# Altium PCB Copy of PCB1.PcbDoc (part 2 of 3) (continued)
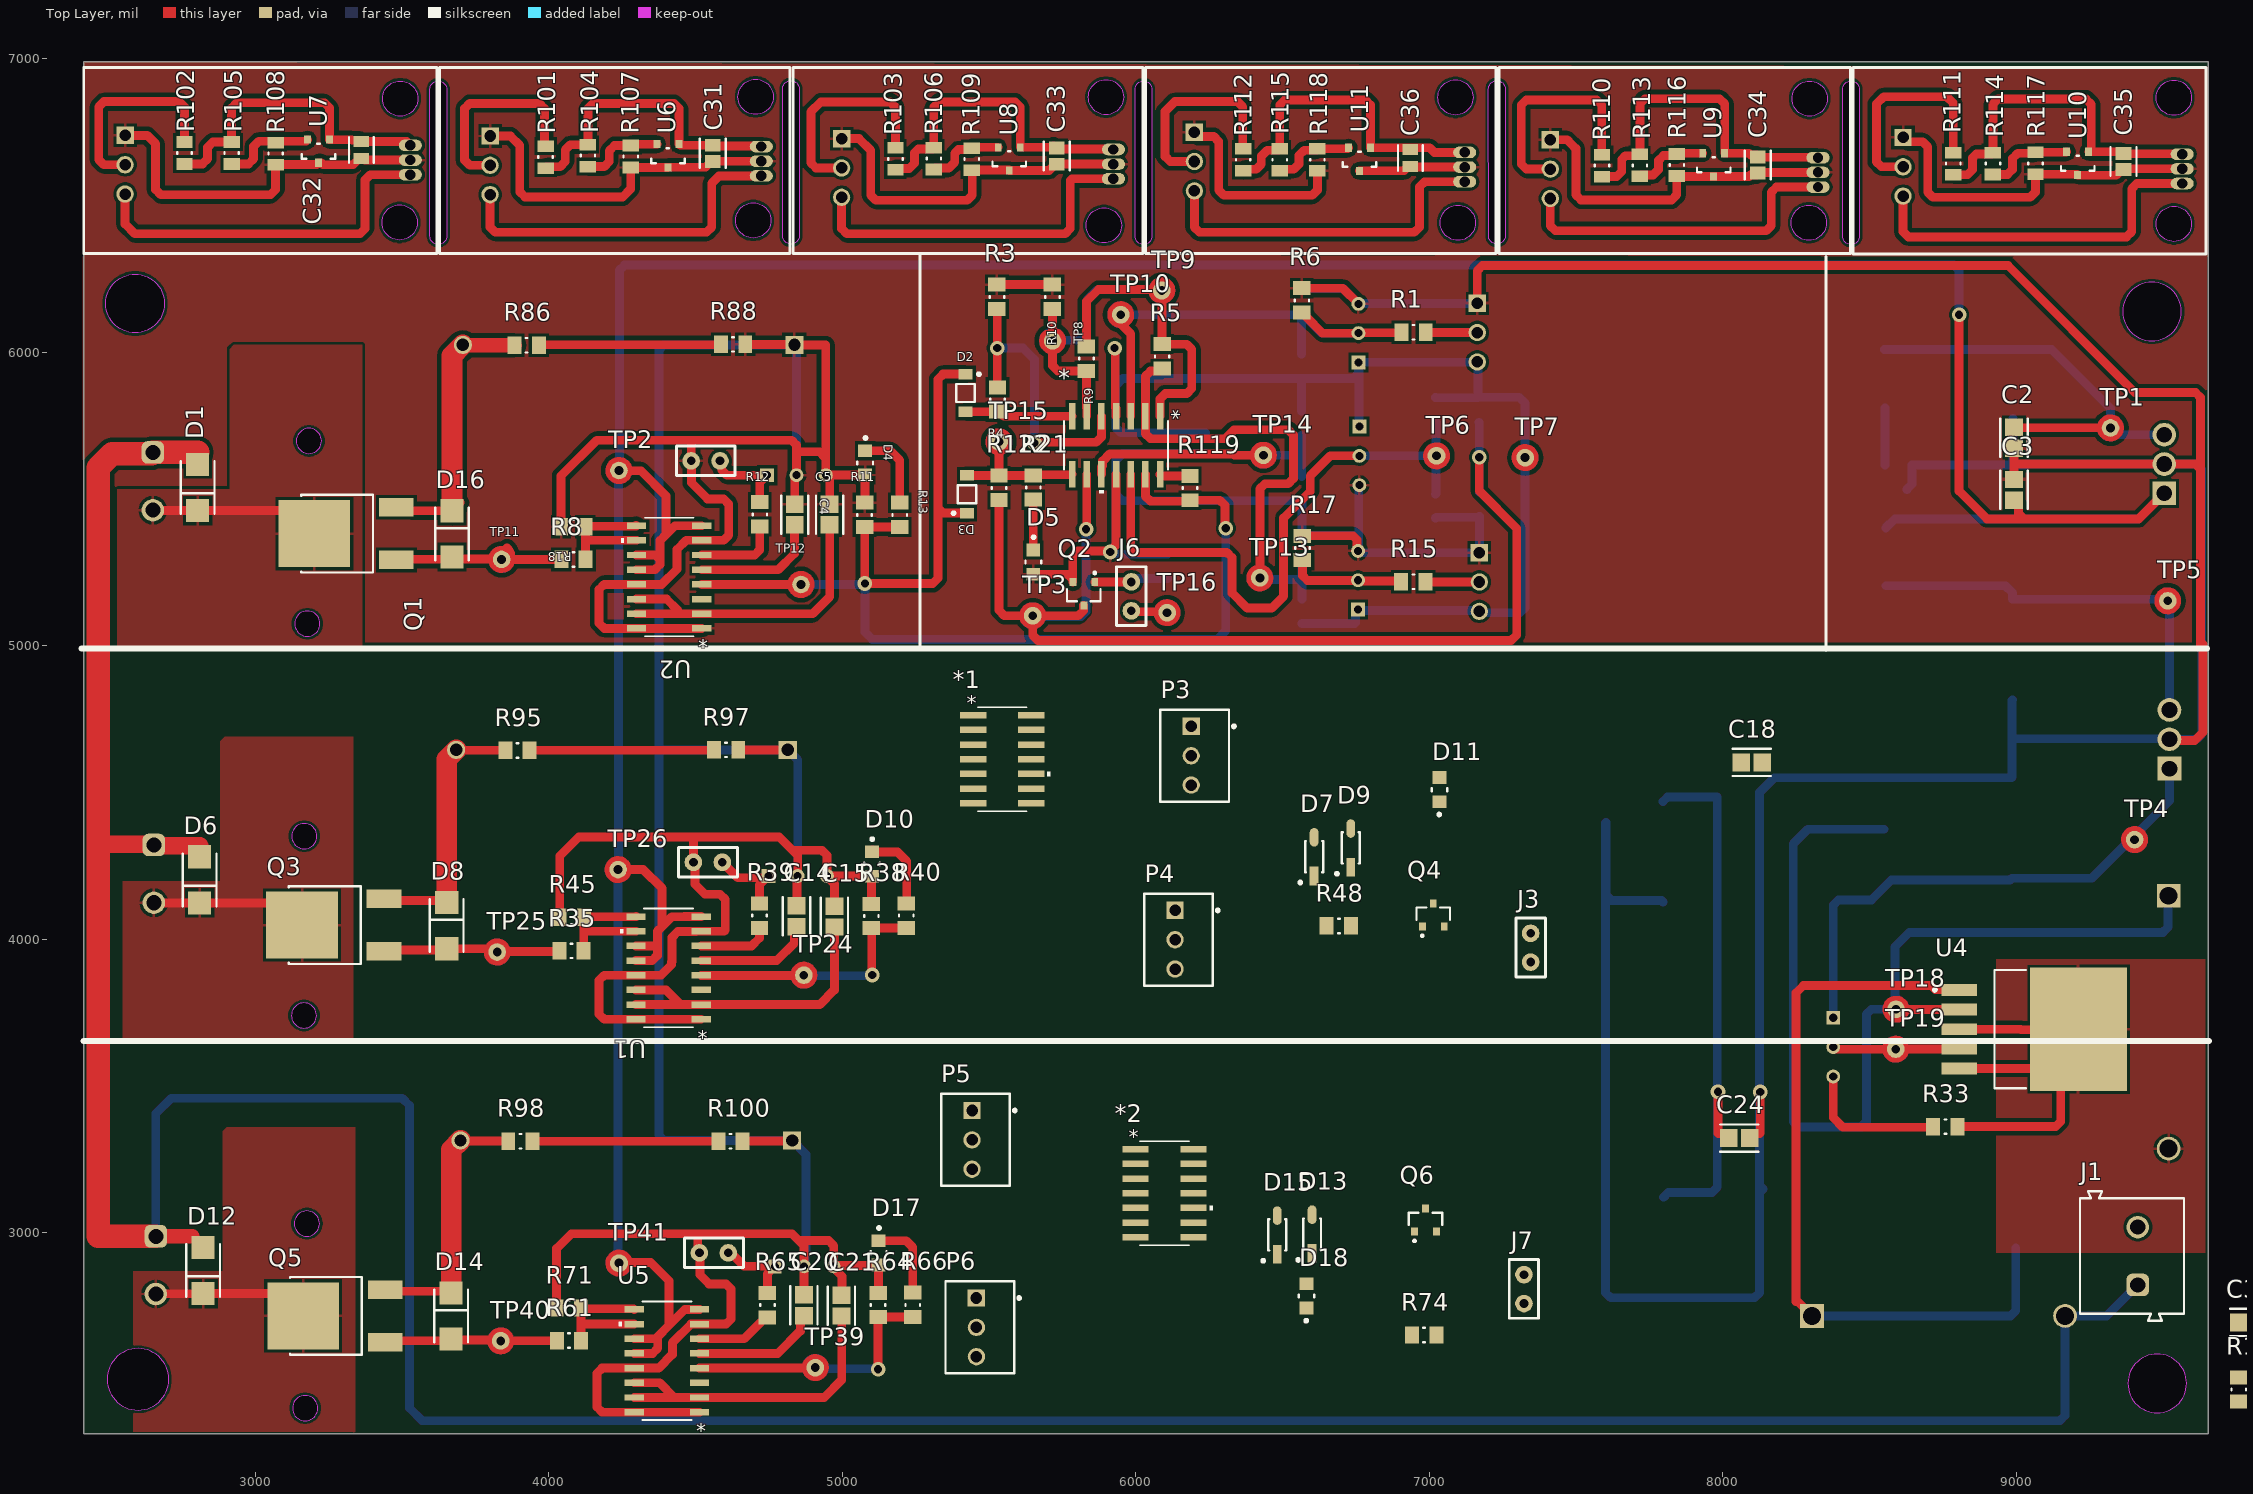
[diagram p0: Top Layer view]
## Free pads (board coordinates) (continued)
  round 2.95 on Mech8: 1(2745.52,5449.04) 1(2745.52,5449.04) 1(2745.52,5628.96) 1(2745.52,5628.96) 1(2752.52,4112.04) 1(2752.52,4112.04) 1(2752.52,4291.96) 1(2752.52,4291.96) 1(2764.52,2781.04) 1(2764.52,2781.04) 1(2764.52,2960.96) 1(2764.52,2960.96) 1(2860.48,5449.04) 1(2860.48,5449.04) 1(2860.48,5628.96) 1(2860.48,5628.96) 1(2867.48,4112.04) 1(2867.48,4112.04) 1(2867.48,4291.96) 1(2867.48,4291.96) 1(2879.48,2781.04) 1(2879.48,2781.04) 1(2879.48,2960.96) 1(2879.48,2960.96) 1(3594.52,3956.04) 1(3594.52,3956.04) 1(3594.52,4135.96) 1(3594.52,4135.96) 1(3609.52,2626.04) 1(3609.52,2626.04) 1(3609.52,2805.96) 1(3609.52,2805.96) 1(3612.52,5291.04) 1(3612.52,5291.04) 1(3612.52,5470.96) 1(3612.52,5470.96) 1(3709.48,3956.04) 1(3709.48,3956.04) 1(3709.48,4135.96) 1(3709.48,4135.96) 1(3724.48,2626.04) 1(3724.48,2626.04) 1(3724.48,2805.96) 1(3724.48,2805.96) 1(3727.48,5291.04) 1(3727.48,5291.04) 1(3727.48,5470.96) 1(3727.48,5470.96) 1(9440.63,5419) 1(9440.63,5419) 1(9440.63,5819) 1(9440.63,5819) 1(9458.37,4481) 1(9458.37,4481) 1(9458.37,4881) 1(9458.37,4881) 1(9611.89,5419) 1(9611.89,5419) 1(9611.89,5819) 1(9611.89,5819) 1(9629.63,4481) 1(9629.63,4481) 1(9629.63,4881) 1(9629.63,4881)
  round 3.94 on Mech6: 1(2745.52,5449.04) 1(2745.52,5628.96) 1(2748.67,5519.32) 1(2752.52,4112.04) 1(2752.52,4291.96) 1(2755.67,4182.32) 1(2764.52,2781.04) 1(2764.52,2960.96) 1(2767.67,2851.32) 1(2857.33,5519.32) 1(2860.48,5449.04) 1(2860.48,5628.96) 1(2864.33,4182.32) 1(2867.48,4112.04) 1(2867.48,4291.96) 1(2876.33,2851.32) 1(2879.48,2781.04) 1(2879.48,2960.96) 1(3113.92,3915.52) 1(3113.92,3915.52) 1(3113.92,3919.06) 1(3113.92,4176.94) 1(3113.92,4180.48) 1(3113.92,4180.48) 1(3117.92,2583.52) 1(3117.92,2583.52) 1(3117.92,2587.06) 1(3117.92,2844.94) 1(3117.92,2848.48) 1(3117.92,2848.48) 1(3155.92,5249.52) 1(3155.92,5249.52) 1(3155.92,5253.06) 1(3155.92,5510.94) 1(3155.92,5514.48) 1(3155.92,5514.48) 1(3358.8,3915.52) 1(3358.8,3915.52) 1(3358.8,4180.48) 1(3358.8,4180.48) 1(3362.8,2583.52) 1(3362.8,2583.52) 1(3362.8,2848.48) 1(3362.8,2848.48) 1(3400.8,5249.52) 1(3400.8,5249.52) 1(3400.8,5514.48) 1(3400.8,5514.48) 1(3594.52,3956.04) 1(3594.52,4135.96) 1(3597.67,4065.68) 1(3609.52,2626.04) 1(3609.52,2805.96) 1(3612.52,5291.04) 1(3612.52,5470.96) 1(3612.67,2735.68) 1(3615.67,5400.68) 1(3706.33,4065.68) 1(3709.48,3956.04) 1(3709.48,4135.96) 1(3721.33,2735.68) 1(3724.33,5400.68) 1(3724.48,2626.04) 1(3724.48,2805.96) 1(3727.48,5291.04) 1(3727.48,5470.96) 1(3890.51,4618.39) 1(3890.51,4667.61) 1(3896.23,4618.39) 1(3896.23,4667.61) 1(3900.14,3286.39) 1(3900.14,3335.61) 1(3905.86,3286.39) 1(3905.86,3335.61) 1(3921.51,5999.39) 1(3921.51,6048.61) 1(3927.23,5999.39) 1(3927.23,6048.61) 1(4064.77,2718.39) 1(4064.77,2767.61) 1(4065.77,2607.39) 1(4065.77,2656.61) 1(4070.49,2718.39) 1(4070.49,2767.61) 1(4071.49,2607.39) 1(4071.49,2656.61) 1(4074.14,3935.39) 1(4074.14,3984.61) 1(4075.77,4050.39) 1(4075.77,4099.61) 1(4079.86,3935.39) 1(4079.86,3984.61) 1(4080.14,5380.39) 1(4080.14,5429.61) 1(4081.14,5269.39) 1(4081.14,5318.61) 1(4081.49,4050.39) 1(4081.49,4099.61) 1(4085.86,5380.39) 1(4085.86,5429.61) 1(4086.86,5269.39) 1(4086.86,5318.61) 1(4601.14,4620.39) 1(4601.14,4669.61) 1(4606.86,4620.39) 1(4606.86,4669.61) 1(4616.14,3286.39) 1(4616.14,3335.61) 1(4621.86,3286.39) 1(4621.86,3335.61) 1(4625.14,6002.39) 1(4625.14,6051.61) 1(4630.86,6002.39) 1(4630.86,6051.61) 1(4693.39,4077.14) 1(4693.39,4082.86) 1(4694.39,5444.77) 1(4694.39,5450.49) 1(4720.39,2749.51) 1(4720.39,2755.23) 1(4742.61,4077.14) 1(4742.61,4082.86) 1(4743.61,5444.77) 1(4743.61,5450.49) 1(4769.61,2749.51) 1(4769.61,2755.23) 1(4791.62,5381.92) 1(4791.62,5512.08) 1(4797.62,4012.92) 1(4797.62,4143.08) 1(4822.62,2687.45) 1(4822.62,2817.62) 1(4884.38,5381.92) 1(4884.38,5512.08) 1(4890.38,4012.92) 1(4890.38,4143.08) 1(4910.62,5381.92) 1(4910.62,5512.08) 1(4915.38,2687.45) 1(4915.38,2817.62) 1(4926.62,4011.92) 1(4926.62,4142.08) 1(4950.62,2685.92) 1(4950.62,2816.08) 1(5003.38,5381.92) 1(5003.38,5512.08) 1(5019.38,4011.92) 1(5019.38,4142.08) 1(5043.38,2685.92) 1(5043.38,2816.08) 1(5051.39,5443.14) 1(5051.39,5448.86) 1(5051.43,5618.08) 1(5051.43,5627.92) 1(5074.39,4076.14) 1(5074.39,4081.86) 1(5074.43,4251.08) 1(5074.43,4260.92) 1(5097.39,2750.14) 1(5097.39,2755.86) 1(5097.43,2926.08) 1(5097.43,2935.92) 1(5100.61,5443.14) 1(5100.61,5448.86) 1(5104.57,5618.08) 1(5104.57,5627.92) 1(5123.61,4076.14) 1(5123.61,4081.86) 1(5127.57,4251.08) 1(5127.57,4260.92) 1(5146.61,2750.14) 1(5146.61,2755.86) 1(5150.57,2926.08) 1(5150.57,2935.92) 1(5171.39,5443.14) 1(5171.39,5448.86) 1(5193.39,4077.14) 1(5193.39,4082.86) 1(5215.39,2751.14) 1(5215.39,2756.86) 1(5220.61,5443.14) 1(5220.61,5448.86) 1(5242.61,4077.14) 1(5242.61,4082.86) 1(5264.61,2751.14) 1(5264.61,2756.86) 1(8756.14,3336.39) 1(8756.14,3385.61) 1(8761.86,3336.39) 1(8761.86,3385.61) 1(8926.52,3491.5) 1(8926.52,3491.5) 1(8926.52,3894.5) 1(8926.52,3894.5) 1(8946.62,5465.92) 1(8946.62,5596.08) 1(8946.62,5643.45) 1(8946.62,5773.62) 1(9032.67,3491.5) 1(9032.67,3894.5) 1(9039.38,5465.92) 1(9039.38,5596.08) 1(9039.38,5643.45) 1(9039.38,5773.62)
  round 3.94 on Mech8: 1(3113.92,3915.52) 1(3113.92,3915.52) 1(3113.92,4180.48) 1(3113.92,4180.48) 1(3117.92,2583.52) 1(3117.92,2583.52) 1(3117.92,2848.48) 1(3117.92,2848.48) 1(3155.92,5249.52) 1(3155.92,5249.52) 1(3155.92,5514.48) 1(3155.92,5514.48) 1(3358.8,3915.52) 1(3358.8,3915.52) 1(3358.8,4180.48) 1(3358.8,4180.48) 1(3362.8,2583.52) 1(3362.8,2583.52) 1(3362.8,2848.48) 1(3362.8,2848.48) 1(3400.8,5249.52) 1(3400.8,5249.52) 1(3400.8,5514.48) 1(3400.8,5514.48) 1(3854,4618.39) 1(3854,4618.39) 1(3854,4667.61) 1(3854,4667.61) 1(3863.63,3286.39) 1(3863.63,3286.39) 1(3863.63,3335.61) 1(3863.63,3335.61) 1(3885,5999.39) 1(3885,5999.39) 1(3885,6048.61) 1(3885,6048.61) 1(3932.74,4618.39) 1(3932.74,4618.39) 1(3932.74,4667.61) 1(3932.74,4667.61) 1(3942.37,3286.39) 1(3942.37,3286.39) 1(3942.37,3335.61) 1(3942.37,3335.61) 1(3963.74,5999.39) 1(3963.74,5999.39) 1(3963.74,6048.61) 1(3963.74,6048.61) 1(4028.26,2718.39) 1(4028.26,2718.39) 1(4028.26,2767.61) 1(4028.26,2767.61) 1(4029.26,2607.39) 1(4029.26,2607.39) 1(4029.26,2656.61) 1(4029.26,2656.61) 1(4037.63,3935.39) 1(4037.63,3935.39) 1(4037.63,3984.61) 1(4037.63,3984.61) 1(4039.26,4050.39) 1(4039.26,4050.39) 1(4039.26,4099.61) 1(4039.26,4099.61) 1(4043.63,5380.39) 1(4043.63,5380.39) 1(4043.63,5429.61) 1(4043.63,5429.61) 1(4044.63,5269.39) 1(4044.63,5269.39) 1(4044.63,5318.61) 1(4044.63,5318.61) 1(4107,2718.39) 1(4107,2718.39) 1(4107,2767.61) 1(4107,2767.61) 1(4108,2607.39) 1(4108,2607.39) 1(4108,2656.61) 1(4108,2656.61) 1(4116.37,3935.39) 1(4116.37,3935.39) 1(4116.37,3984.61) 1(4116.37,3984.61) 1(4118,4050.39) 1(4118,4050.39) 1(4118,4099.61) 1(4118,4099.61) 1(4122.37,5380.39) 1(4122.37,5380.39) 1(4122.37,5429.61) 1(4122.37,5429.61) 1(4123.37,5269.39) 1(4123.37,5269.39) 1(4123.37,5318.61) 1(4123.37,5318.61) 1(4564.63,4620.39) 1(4564.63,4620.39) 1(4564.63,4669.61) 1(4564.63,4669.61) 1(4579.63,3286.39) 1(4579.63,3286.39) 1(4579.63,3335.61) 1(4579.63,3335.61) 1(4588.63,6002.39) 1(4588.63,6002.39) 1(4588.63,6051.61) 1(4588.63,6051.61) 1(4643.37,4620.39) 1(4643.37,4620.39) 1(4643.37,4669.61) 1(4643.37,4669.61) 1(4651.48,5483.17) 1(4651.48,5483.17) 1(4651.48,5678.44) 1(4651.48,5678.44) 1(4655.48,4117.36) 1(4655.48,4117.36) 1(4655.48,4312.64) 1(4655.48,4312.64) 1(4658.37,3286.39) 1(4658.37,3286.39) 1(4658.37,3335.61) 1(4658.37,3335.61) 1(4667.37,6002.39) 1(4667.37,6002.39) 1(4667.37,6051.61) 1(4667.37,6051.61) 1(4677.48,2787.17) 1(4677.48,2787.17) 1(4677.48,2982.44) 1(4677.48,2982.44) 1(4693.39,4040.63) 1(4693.39,4040.63) 1(4693.39,4119.37) 1(4693.39,4119.37) 1(4694.39,5408.26) 1(4694.39,5408.26) 1(4694.39,5487) 1(4694.39,5487) 1(4720.39,2713) 1(4720.39,2713) 1(4720.39,2791.74) 1(4720.39,2791.74) 1(4742.61,4040.63) 1(4742.61,4040.63) 1(4742.61,4119.37) 1(4742.61,4119.37) 1(4743.61,5408.26) 1(4743.61,5408.26) 1(4743.61,5487) 1(4743.61,5487) 1(4769.61,2713) 1(4769.61,2713) 1(4769.61,2791.74) 1(4769.61,2791.74) 1(4813.39,5407.63) 1(4813.39,5407.63) 1(4813.39,5486.37) 1(4813.39,5486.37) 1(4819.39,4038.63) 1(4819.39,4038.63) 1(4819.39,4117.37) 1(4819.39,4117.37) 1(4844.39,2713.17) 1(4844.39,2713.17) 1(4844.39,2791.91) 1(4844.39,2791.91) 1(4862.61,5407.63) 1(4862.61,5407.63) 1(4862.61,5486.37) 1(4862.61,5486.37) 1(4868.61,4038.63) 1(4868.61,4038.63) 1(4868.61,4117.37) 1(4868.61,4117.37) 1(4893.61,2713.17) 1(4893.61,2713.17) 1(4893.61,2791.91) 1(4893.61,2791.91) 1(4932.39,5407.63) 1(4932.39,5407.63) 1(4932.39,5486.37) 1(4932.39,5486.37) 1(4948.39,4037.63) 1(4948.39,4037.63) 1(4948.39,4116.37) 1(4948.39,4116.37) 1(4972.39,2711.63) 1(4972.39,2711.63) 1(4972.39,2790.37) 1(4972.39,2790.37) 1(4981.61,5407.63) 1(4981.61,5407.63) 1(4981.61,5486.37) 1(4981.61,5486.37) 1(4997.61,4037.63) 1(4997.61,4037.63) 1(4997.61,4116.37) 1(4997.61,4116.37) 1(5021.61,2711.63) 1(5021.61,2711.63) 1(5021.61,2790.37) 1(5021.61,2790.37) 1(5036.52,5483.17) 1(5036.52,5483.17) 1(5036.52,5678.44) 1(5036.52,5678.44) 1(5040.52,4117.36) 1(5040.52,4117.36) 1(5040.52,4312.64) 1(5040.52,4312.64) 1(5051.39,5406.63) 1(5051.39,5406.63) 1(5051.39,5485.37) 1(5051.39,5485.37) 1(5051.43,5581.66) 1(5051.43,5581.66) 1(5051.43,5664.34) 1(5051.43,5664.34) 1(5062.52,2787.17) 1(5062.52,2787.17) 1(5062.52,2982.44) 1(5062.52,2982.44) 1(5074.39,4039.63) 1(5074.39,4039.63) 1(5074.39,4118.37) 1(5074.39,4118.37) 1(5074.43,4214.66) 1(5074.43,4214.66) 1(5074.43,4297.34) 1(5074.43,4297.34) 1(5097.39,2713.63) 1(5097.39,2713.63) 1(5097.39,2792.37) 1(5097.39,2792.37) 1(5097.43,2889.66) 1(5097.43,2889.66) 1(5097.43,2972.34) 1(5097.43,2972.34) 1(5100.61,5406.63) 1(5100.61,5406.63) 1(5100.61,5485.37) 1(5100.61,5485.37) 1(5104.57,5581.66) 1(5104.57,5581.66) 1(5104.57,5664.34) 1(5104.57,5664.34) 1(5123.61,4039.63) 1(5123.61,4039.63) 1(5123.61,4118.37) 1(5123.61,4118.37) 1(5127.57,4214.66) 1(5127.57,4214.66) 1(5127.57,4297.34) 1(5127.57,4297.34) 1(5146.61,2713.63) 1(5146.61,2713.63) 1(5146.61,2792.37) 1(5146.61,2792.37) 1(5150.57,2889.66) 1(5150.57,2889.66) 1(5150.57,2972.34) 1(5150.57,2972.34) 1(5171.39,5406.63) 1(5171.39,5406.63) 1(5171.39,5485.37) 1(5171.39,5485.37) 1(5193.39,4040.63) 1(5193.39,4040.63) 1(5193.39,4119.37) 1(5193.39,4119.37) 1(5215.39,2714.63) 1(5215.39,2714.63) 1(5215.39,2793.37) 1(5215.39,2793.37) 1(5220.61,5406.63) 1(5220.61,5406.63) 1(5220.61,5485.37) 1(5220.61,5485.37) 1(5242.61,4040.63) 1(5242.61,4040.63) 1(5242.61,4119.37) 1(5242.61,4119.37) 1(5264.61,2714.63) 1(5264.61,2714.63) 1(5264.61,2793.37) 1(5264.61,2793.37) 1(8279.17,3439.48) 1(8279.17,3439.48) 1(8279.17,3824.52) 1(8279.17,3824.52) 1(8474.44,3439.48) 1(8474.44,3439.48) 1(8474.44,3824.52) 1(8474.44,3824.52) 1(8719.63,3336.39) 1(8719.63,3336.39) 1(8719.63,3385.61) 1(8719.63,3385.61) 1(8798.37,3336.39) 1(8798.37,3336.39) 1(8798.37,3385.61) 1(8798.37,3385.61) 1(8926.52,3491.5) 1(8926.52,3491.5) 1(8926.52,3894.5) 1(8926.52,3894.5) 1(8968.39,5491.63) 1(8968.39,5491.63) 1(8968.39,5570.37) 1(8968.39,5570.37) 1(8968.39,5669.17) 1(8968.39,5669.17) 1(8968.39,5747.91) 1(8968.39,5747.91) 1(9017.61,5491.63) 1(9017.61,5491.63) 1(9017.61,5570.37) 1(9017.61,5570.37) 1(9017.61,5669.17) 1(9017.61,5669.17) 1(9017.61,5747.91) 1(9017.61,5747.91) 1(9294.51,3491.5) 1(9294.51,3491.5) 1(9294.51,3894.5) 1(9294.51,3894.5)
  round 3 on Mech4: 1(3643,4604) 1(3643,4604) 1(3643,4686) 1(3643,4686) 1(3658,3273) 1(3658,3273) 1(3658,3355) 1(3658,3355) 1(3666,5984) 1(3666,5984) 1(3666,6066) 1(3666,6066) 1(3804,4440) 1(3804,4440) 1(3804,4604) 1(3804,4604) 1(3804,4686) 1(3804,4686) 1(3804,4850) 1(3804,4850) 1(3819,3109) 1(3819,3109) 1(3819,3273) 1(3819,3273) 1(3819,3355) 1(3819,3355) 1(3819,3519) 1(3819,3519) 1(3827,5820) 1(3827,5820) 1(3827,5984) 1(3827,5984) 1(3827,6066) 1(3827,6066) 1(3827,6230) 1(3827,6230) 1(4238.25,2357) 1(4238.25,2357) 1(4238.25,2769) 1(4238.25,2769) 1(4244,3696) 1(4244,3696) 1(4244,4108) 1(4244,4108) 1(4246,5028) 1(4246,5028) 1(4246,5440) 1(4246,5440) 1(4303.75,2346) 1(4303.75,2346) 1(4303.75,2357) 1(4303.75,2357) 1(4303.75,2769) 1(4303.75,2769) 1(4303.75,2780) 1(4303.75,2780) 1(4309.5,3685) 1(4309.5,3685) 1(4309.5,3696) 1(4309.5,3696) 1(4309.5,4108) 1(4309.5,4108) 1(4309.5,4119) 1(4309.5,4119) 1(4311.5,5017) 1(4311.5,5017) 1(4311.5,5028) 1(4311.5,5028) 1(4311.5,5440) 1(4311.5,5440) 1(4311.5,5451) 1(4311.5,5451) 1(4500.75,2346) 1(4500.75,2346) 1(4500.75,2357) 1(4500.75,2357) 1(4500.75,2769) 1(4500.75,2769) 1(4500.75,2780) 1(4500.75,2780) 1(4506.5,3685) 1(4506.5,3685) 1(4506.5,3696) 1(4506.5,3696) 1(4506.5,4108) 1(4506.5,4108) 1(4506.5,4119) 1(4506.5,4119) 1(4508.5,5017) 1(4508.5,5017) 1(4508.5,5028) 1(4508.5,5028) 1(4508.5,5440) 1(4508.5,5440) 1(4508.5,5451) 1(4508.5,5451) 1(4566.25,2357) 1(4566.25,2357) 1(4566.25,2769) 1(4566.25,2769) 1(4572,3696) 1(4572,3696) 1(4572,4108) 1(4572,4108) 1(4574,5028) 1(4574,5028) 1(4574,5440) 1(4574,5440) 1(4694,4440) 1(4694,4440) 1(4694,4604) 1(4694,4604) 1(4694,4686) 1(4694,4686) 1(4694,4850) 1(4694,4850) 1(4709,3109) 1(4709,3109) 1(4709,3273) 1(4709,3273) 1(4709,3355) 1(4709,3355) 1(4709,3519) 1(4709,3519) 1(4717,5820) 1(4717,5820) 1(4717,5984) 1(4717,5984) 1(4717,6066) 1(4717,6066) 1(4717,6230) 1(4717,6230) 1(4855,4604) 1(4855,4604) 1(4855,4686) 1(4855,4686) 1(4870,3273) 1(4870,3273) 1(4870,3355) 1(4870,3355) 1(4878,5984) 1(4878,5984) 1(4878,6066) 1(4878,6066) 1(9405.5,3520) 1(9405.5,3520) 1(9405.5,3914) 1(9405.5,3914) 1(9469.5,3235.5) 1(9469.5,3235.5) 1(9469.5,3520) 1(9469.5,3520) 1(9469.5,3914) 1(9469.5,3914) 1(9469.5,4198.5) 1(9469.5,4198.5) 1(9570.5,3235.5) 1(9570.5,3235.5) 1(9570.5,3520) 1(9570.5,3520) 1(9570.5,3914) 1(9570.5,3914) 1(9570.5,4198.5) 1(9570.5,4198.5) 1(9634.5,3520) 1(9634.5,3520) 1(9634.5,3914) 1(9634.5,3914)
  round 0.5 on Mech5: 1(3684,4645) 1(3699,3314) 1(3707,6025) 1(3814,4450) 1(3814,4450) 1(3814,4645) 1(3814,4840) 1(3814,4840) 1(3829,3119) 1(3829,3119) 1(3829,3314) 1(3829,3509) 1(3829,3509) 1(3837,5830) 1(3837,5830) 1(3837,6025) 1(3837,6220) 1(3837,6220) 1(4280.25,2378) 1(4280.25,2378) 1(4280.25,2398) 1(4280.25,2398) 1(4280.25,2528) 1(4280.25,2528) 1(4280.25,2548) 1(4280.25,2548) 1(4280.25,2578) 1(4280.25,2578) 1(4280.25,2598) 1(4280.25,2598) 1(4280.25,2628) 1(4280.25,2628) 1(4280.25,2648) 1(4280.25,2648) 1(4280.25,2678) 1(4280.25,2678) 1(4280.25,2698) 1(4280.25,2698) 1(4280.25,2728) 1(4280.25,2728) 1(4280.25,2748) 1(4280.25,2748) 1(4286,3717) 1(4286,3717) 1(4286,3737) 1(4286,3737) 1(4286,3767) 1(4286,3767) 1(4286,3787) 1(4286,3787) 1(4286,3817) 1(4286,3817) 1(4286,3837) 1(4286,3837) 1(4286,3867) 1(4286,3867) 1(4286,3887) 1(4286,3887) 1(4286,3917) 1(4286,3917) 1(4286,3937) 1(4286,3937) 1(4286,3967) 1(4286,3967) 1(4286,3987) 1(4286,3987) 1(4286,4017) 1(4286,4017) 1(4286,4037) 1(4286,4037) 1(4286,4067) 1(4286,4067) 1(4286,4087) 1(4286,4087) 1(4288,5049) 1(4288,5049) 1(4288,5069) 1(4288,5069) 1(4288,5099) 1(4288,5099) 1(4288,5119) 1(4288,5119) 1(4288,5149) 1(4288,5149) 1(4288,5169) 1(4288,5169) 1(4288,5199) 1(4288,5199) 1(4288,5219) 1(4288,5219) 1(4288,5249) 1(4288,5249) 1(4288,5269) 1(4288,5269) 1(4288,5299) 1(4288,5299) 1(4288,5319) 1(4288,5319) 1(4288,5349) 1(4288,5349) 1(4288,5369) 1(4288,5369) 1(4288,5399) 1(4288,5399) 1(4288,5419) 1(4288,5419) 1(4323.75,2366) 1(4323.75,2366) 1(4323.75,2378) 1(4323.75,2378) 1(4323.75,2398) 1(4323.75,2398) 1(4323.75,2528) 1(4323.75,2528) 1(4323.75,2548) 1(4323.75,2548) 1(4323.75,2578) 1(4323.75,2578) 1(4323.75,2598) 1(4323.75,2598) 1(4323.75,2628) 1(4323.75,2628) 1(4323.75,2648) 1(4323.75,2648) 1(4323.75,2678) 1(4323.75,2678) 1(4323.75,2698) 1(4323.75,2698) 1(4323.75,2728) 1(4323.75,2728) 1(4323.75,2748) 1(4323.75,2748) 1(4323.75,2760) 1(4323.75,2760) 1(4329.5,3705) 1(4329.5,3705) 1(4329.5,3717) 1(4329.5,3717) 1(4329.5,3737) 1(4329.5,3737) 1(4329.5,3767) 1(4329.5,3767) 1(4329.5,3787) 1(4329.5,3787) 1(4329.5,3817) 1(4329.5,3817) 1(4329.5,3837) 1(4329.5,3837) 1(4329.5,3867) 1(4329.5,3867) 1(4329.5,3887) 1(4329.5,3887) 1(4329.5,3917) 1(4329.5,3917) 1(4329.5,3937) 1(4329.5,3937) 1(4329.5,3967) 1(4329.5,3967) 1(4329.5,3987) 1(4329.5,3987) 1(4329.5,4017) 1(4329.5,4017) 1(4329.5,4037) 1(4329.5,4037) 1(4329.5,4067) 1(4329.5,4067) 1(4329.5,4087) 1(4329.5,4087) 1(4329.5,4099) 1(4329.5,4099) 1(4331.5,5037) 1(4331.5,5037) 1(4331.5,5049) 1(4331.5,5049) 1(4331.5,5069) 1(4331.5,5069) 1(4331.5,5099) 1(4331.5,5099) 1(4331.5,5119) 1(4331.5,5119) 1(4331.5,5149) 1(4331.5,5149) 1(4331.5,5169) 1(4331.5,5169) 1(4331.5,5199) 1(4331.5,5199) 1(4331.5,5219) 1(4331.5,5219) 1(4331.5,5249) 1(4331.5,5249) 1(4331.5,5269) 1(4331.5,5269) 1(4331.5,5299) 1(4331.5,5299) 1(4331.5,5319) 1(4331.5,5319) 1(4331.5,5349) 1(4331.5,5349) 1(4331.5,5369) 1(4331.5,5369) 1(4331.5,5399) 1(4331.5,5399) 1(4331.5,5419) 1(4331.5,5419) 1(4331.5,5431) 1(4331.5,5431) 1(4480.75,2366) 1(4480.75,2366) 1(4480.75,2378) 1(4480.75,2378) 1(4480.75,2398) 1(4480.75,2398) 1(4480.75,2528) 1(4480.75,2528) 1(4480.75,2548) 1(4480.75,2548) 1(4480.75,2578) 1(4480.75,2578) 1(4480.75,2598) 1(4480.75,2598) 1(4480.75,2628) 1(4480.75,2628) 1(4480.75,2648) 1(4480.75,2648) 1(4480.75,2678) 1(4480.75,2678) 1(4480.75,2698) 1(4480.75,2698) 1(4480.75,2728) 1(4480.75,2728) 1(4480.75,2748) 1(4480.75,2748) 1(4480.75,2760) 1(4480.75,2760) 1(4486.5,3705) 1(4486.5,3705) 1(4486.5,3717) 1(4486.5,3717) 1(4486.5,3737) 1(4486.5,3737) 1(4486.5,3767) 1(4486.5,3767) 1(4486.5,3787) 1(4486.5,3787) 1(4486.5,3817) 1(4486.5,3817) 1(4486.5,3837) 1(4486.5,3837) 1(4486.5,3867) 1(4486.5,3867) 1(4486.5,3887) 1(4486.5,3887) 1(4486.5,3917) 1(4486.5,3917) 1(4486.5,3937) 1(4486.5,3937) 1(4486.5,3967) 1(4486.5,3967) 1(4486.5,3987) 1(4486.5,3987) 1(4486.5,4017) 1(4486.5,4017) 1(4486.5,4037) 1(4486.5,4037) 1(4486.5,4067) 1(4486.5,4067) 1(4486.5,4087) 1(4486.5,4087) 1(4486.5,4099) 1(4486.5,4099) 1(4488.5,5037) 1(4488.5,5037) 1(4488.5,5049) 1(4488.5,5049) 1(4488.5,5069) 1(4488.5,5069) 1(4488.5,5099) 1(4488.5,5099) 1(4488.5,5119) 1(4488.5,5119) 1(4488.5,5149) 1(4488.5,5149) 1(4488.5,5169) 1(4488.5,5169) 1(4488.5,5199) 1(4488.5,5199) 1(4488.5,5219) 1(4488.5,5219) 1(4488.5,5249) 1(4488.5,5249) 1(4488.5,5269) 1(4488.5,5269) 1(4488.5,5299) 1(4488.5,5299) 1(4488.5,5319) 1(4488.5,5319) 1(4488.5,5349) 1(4488.5,5349) 1(4488.5,5369) 1(4488.5,5369) 1(4488.5,5399) 1(4488.5,5399) 1(4488.5,5419) 1(4488.5,5419) 1(4488.5,5431) 1(4488.5,5431) 1(4524.25,2378) 1(4524.25,2378) 1(4524.25,2398) 1(4524.25,2398) 1(4524.25,2528) 1(4524.25,2528) 1(4524.25,2548) 1(4524.25,2548) 1(4524.25,2578) 1(4524.25,2578) 1(4524.25,2598) 1(4524.25,2598) 1(4524.25,2628) 1(4524.25,2628) 1(4524.25,2648) 1(4524.25,2648) 1(4524.25,2678) 1(4524.25,2678) 1(4524.25,2698) 1(4524.25,2698) 1(4524.25,2728) 1(4524.25,2728) 1(4524.25,2748) 1(4524.25,2748) 1(4530,3717) 1(4530,3717) 1(4530,3737) 1(4530,3737) 1(4530,3767) 1(4530,3767) 1(4530,3787) 1(4530,3787) 1(4530,3817) 1(4530,3817) 1(4530,3837) 1(4530,3837) 1(4530,3867) 1(4530,3867) 1(4530,3887) 1(4530,3887) 1(4530,3917) 1(4530,3917) 1(4530,3937) 1(4530,3937) 1(4530,3967) 1(4530,3967) 1(4530,3987) 1(4530,3987) 1(4530,4017) 1(4530,4017) 1(4530,4037) 1(4530,4037) 1(4530,4067) 1(4530,4067) 1(4530,4087) 1(4530,4087) 1(4532,5049) 1(4532,5049) 1(4532,5069) 1(4532,5069) 1(4532,5099) 1(4532,5099) 1(4532,5119) 1(4532,5119) 1(4532,5149) 1(4532,5149) 1(4532,5169) 1(4532,5169) 1(4532,5199) 1(4532,5199) 1(4532,5219) 1(4532,5219) 1(4532,5249) 1(4532,5249) 1(4532,5269) 1(4532,5269) 1(4532,5299) 1(4532,5299) 1(4532,5319) 1(4532,5319) 1(4532,5349) 1(4532,5349) 1(4532,5369) 1(4532,5369) 1(4532,5399) 1(4532,5399) 1(4532,5419) 1(4532,5419) 1(4684,4450) 1(4684,4450) 1(4684,4645) 1(4684,4840) 1(4684,4840) 1(4699,3119) 1(4699,3119) 1(4699,3314) 1(4699,3509) 1(4699,3509) 1(4707,5830) 1(4707,5830) 1(4707,6025) 1(4707,6220) 1(4707,6220) 1(4814,4645) 1(4829,3314) 1(4837,6025) 1(9415.5,3530) 1(9415.5,3530) 1(9415.5,3904) 1(9415.5,3904) 1(9495,4259) 1(9495,4259) 1(9495,4289) 1(9500,4259) 1(9505,4259) 1(9510,4259) 1(9515,4259) 1(9520,3286) 1(9520,3530) 1(9520,3904) 1(9520,4148) 1(9520,4249) 1(9520,4289) 1(9520,4289) 1(9520,4289) 1(9520,4289) 1(9520,4289) 1(9520,4289) 1(9520,4289) 1(9520,4289) 1(9520,4289) 1(9520,4289) 1(9520,4299) 1(9525,4259) 1(9530,4259) 1(9535,4259) 1(9540,4259) 1(9545,4259) 1(9545,4259) 1(9545,4289) 1(9624.5,3530) 1(9624.5,3530) 1(9624.5,3904) 1(9624.5,3904)
  round 3 on Mech14: 1(3809,4445) 1(3809,4445) 1(3809,4845) 1(3809,4845) 1(3824,3114) 1(3824,3114) 1(3824,3514) 1(3824,3514) 1(3832,5825) 1(3832,5825) 1(3832,6225) 1(3832,6225) 1(4689,4445) 1(4689,4445) 1(4689,4845) 1(4689,4845) 1(4704,3114) 1(4704,3114) 1(4704,3514) 1(4704,3514) 1(4712,5825) 1(4712,5825) 1(4712,6225) 1(4712,6225) 1(9410.5,3525) 1(9410.5,3525) 1(9410.5,3909) 1(9410.5,3909) 1(9495,4259) 1(9495,4259) 1(9495,4289) 1(9500,4259) 1(9505,4259) 1(9510,4259) 1(9515,4259) 1(9520,4249) 1(9520,4289) 1(9520,4289) 1(9520,4289) 1(9520,4289) 1(9520,4289) 1(9520,4289) 1(9520,4289) 1(9520,4289) 1(9520,4289) 1(9520,4289) 1(9520,4299) 1(9525,4259) 1(9530,4259) 1(9535,4259) 1(9540,4259) 1(9545,4259) 1(9545,4259) 1(9545,4289) 1(9629.5,3525) 1(9629.5,3525) 1(9629.5,3909) 1(9629.5,3909)
  round 3 on Mech6: 1(4318.75,2361) 1(4318.75,2765) 1(4324.5,3700) 1(4324.5,4104) 1(4326.5,5032) 1(4326.5,5436) 1(4485.75,2361) 1(4485.75,2765) 1(4491.5,3700) 1(4491.5,4104) 1(4493.5,5032) 1(4493.5,5436)
  round 5 on Mech14: 1(4435,5580) 1(4435,5580) 1(4435,5680) 1(4435,5680) 1(4442.57,4212) 1(4442.57,4212) 1(4442.57,4312) 1(4442.57,4312) 1(4463,2881) 1(4463,2881) 1(4463,2981) 1(4463,2981) 1(4495,5680) 1(4495,5680) 1(4502.57,4312) 1(4502.57,4312) 1(4523,2981) 1(4523,2981) 1(4575,5680) 1(4575,5680) 1(4582.57,4312) 1(4582.57,4312) 1(4603,2981) 1(4603,2981) 1(4635,5580) 1(4635,5580) 1(4635,5680) 1(4635,5680) 1(4642.57,4212) 1(4642.57,4212) 1(4642.57,4312) 1(4642.57,4312) 1(4663,2881) 1(4663,2881) 1(4663,2981) 1(4663,2981)
  round 4.92 on Mech6: 1(5078.98,5702.72) 1(5078.98,5712.57) 1(5101.98,4335.72) 1(5101.98,4345.57) 1(5124.98,3010.72) 1(5124.98,3020.57)
  round 9.84 on Mech6: 1(5078.98,5707.65) 1(5101.98,4340.65) 1(5124.98,3015.65)
  round 0.98 on Mech4: 1(8521.47,5570.72) 1(8521.47,5570.72) 1(8521.47,5661.28) 1(8521.47,5661.28) 1(8675.02,5570.72) 1(8675.02,5570.72) 1(8675.02,5661.28) 1(8675.02,5661.28)
  round 4.92 on Mech14: 1(9521.34,5399.34) 1(9531.18,5399.34) 1(9539.08,4461.34) 1(9548.92,4461.34)
  round 9.84 on Mech14: 1(9526.26,5399.34) 1(9544,4461.34)

## Via types
v1: diameter 60/60 (per signal layer), hole 28, Top Layer to Bottom Layer, 36 vias
v2: diameter 50, hole 28, Top Layer to Bottom Layer, 13 vias

## Nets (pads, with @x,y where several pads share a name; then routed paths per layer and width w, separated by ;. In a path a pad name is that pad's centre, name@x,y a point inside that pad or via, vN(x,y) a via of type N, cw(c..) or ccw(c..) an arc to the next point about the centre after c; other vN are vias at no path point)
+5: *1.4 *2.4 *.4 C8.1 C10.2 C16.1 C18.2 C22.1 C24.2 L1.2 P1.3 P2.3 P3.3 P4.3 P5.3 P6.3 R2.2 R14.1 R16.2 R19.1 R24.2 R29.2 R41.1 R43.2 R46.1 R51.2 R56.2 R67.1 R69.2 R72.1 R77.2 R89.2 RP1.1 RP2.1 RP4.1 RP6.1 RP7.1 RP9.1 RP10.1 RP11.1 RP13.1 TP7.1 TP20.1 TP35.1 Z1.1 | length 6507.6
  Top Layer w30: v2(5928,6014) 5930.5,6011.5 5930.5,5811.65 5933,5809.15 *.4@5933,5781.97 ; v2(7984,3480) 7984,3339.57 7985.94,3337.63 8006.92,3337.63 8021.54,3323.02 C24.2@8021.54,3322
  Bottom Layer w30: v2(5928,6014) 5930,6012 5930,5860.26 C16.1@5932,5858.26 ; C10.2@6238,5725.46 5949.57,5725.46 5932,5743.04 C16.1@5932,5858.26 ; R14.1@6565,5799.37 6564.5,5799.87 6564.5,5910.13 R2.2@6564,5910.63 ; R16.2@6567,5075.26 6745.43,5075.26 6749.18,5079.01 6749.18,5114.38 RP2.1@6757.8,5123 6760.8,5120 7168,5120 P2.3@7171,5117 7176,5112 7309.43,5112 7327,5129.57 7327,5610.1 v1(7327,5641) 7327,5671.9 7327,5826 7306.03,5846.97 R19.1@7166.41,5846.97 ; RP4.1@6762,5747 6760.5,5748.5 6760.5,5963.5 RP1.1@6759,5965 ; R24.2@7022,5846 7022.81,5845.19 7164.62,5845.19 R19.1@7166.41,5846.97 ; C22.1@7797,4469 7812,4484 7981.88,4484 7981.88,3154.57 7964.31,3137 7815.74,3137 C8.1@7799,3120.26 ; Z1.1@8553.76,5616 L1.2@8553.76,5809.82 ; C16.1@5932,5858.26 5932,5886.26 5956.37,5910.63 R2.2@6564,5910.63 ; R2.2@6564,5910.63 6741.43,5910.63 6759,5928.2 RP1.1@6759,5965 ; RP1.1@6759,5965 6760,5966 7162.81,5966 P1.3@7163.81,5967 7166.41,5964.41 R19.1@7166.41,5846.97
  other v1: 15267,4440 12226,5243